# KiCad board ISA_CGA.kicad_pcb (continued)
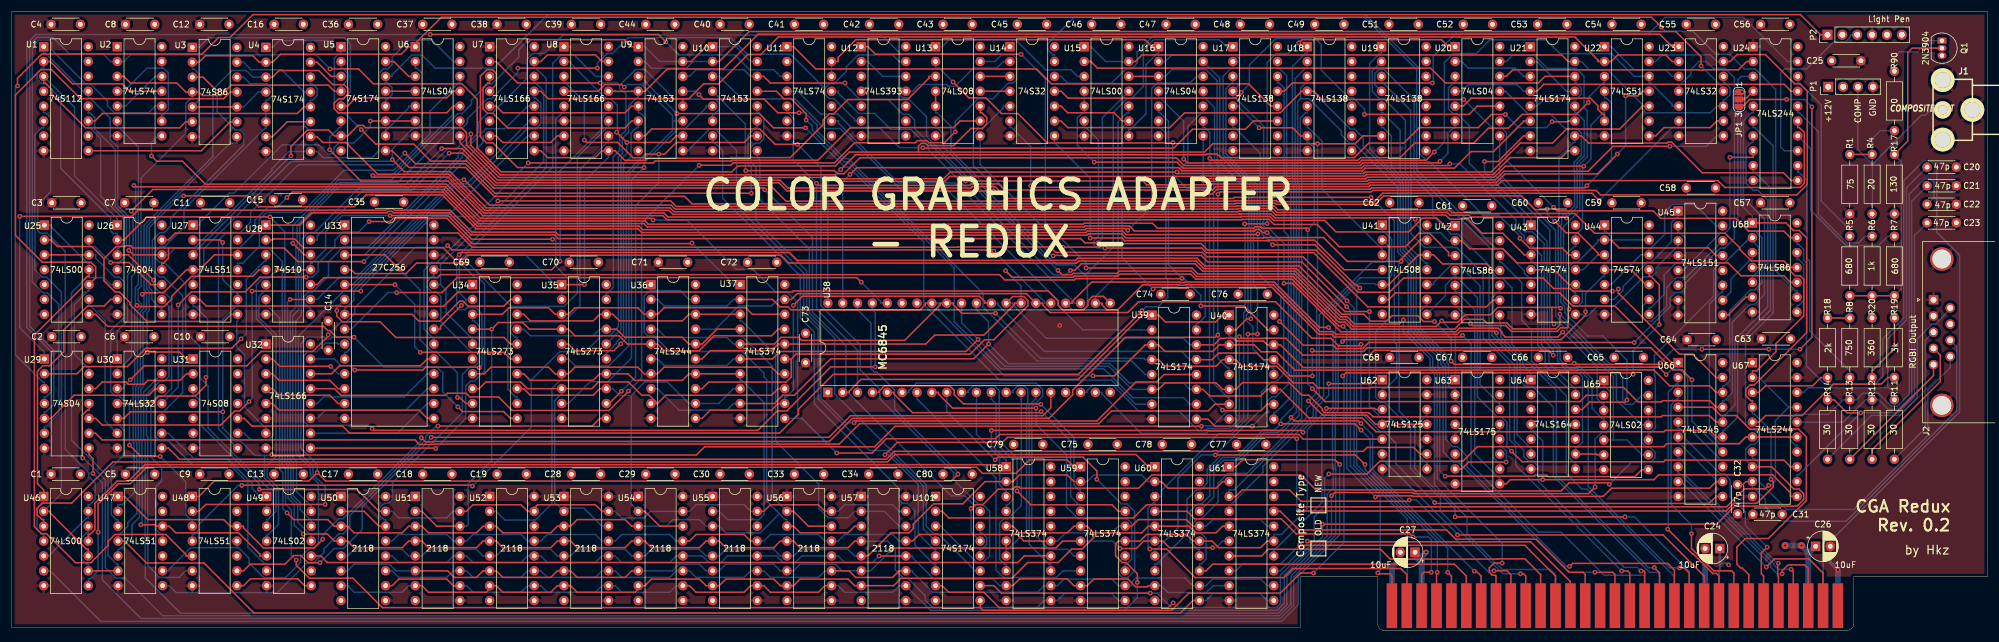
[diagram p0: board, top side]
## Nets (continued)
Net-(J2-Pad6): J2.6 R14.1
Net-(JP1-Pad2): JP1.2 U24.4
Net-(P5-Pad62): P5.62 U13.4 U13.5
Net-(Q1-Pad1): Q1.1 R90.2
Net-(Q1-Pad2): Q1.2 R5.1 R6.1 R7.1 R8.1 R17.1 R18.1 R19.1 R20.2
Net-(R1-Pad2): R1.2 R4.2 R90.1
Net-(R5-Pad2): R5.2 U24.18
Net-(R6-Pad2): R6.2 U24.16
Net-(R7-Pad2): R7.2 U24.14
Net-(R8-Pad2): R8.2 U24.12
Net-(R18-Pad2): R18.2 U67.3
Net-(R19-Pad2): R19.2 U67.5
Net-(U1-Pad5): U1.5 U46.5 U46.13
Net-(U1-Pad6): U1.6 U46.2 U46.10
Net-(U1-Pad9): U1.9 U3.9
Net-(U1-Pad12): U1.12 U26.4
Net-(U2-Pad6): U2.6 U28.4 U47.2
Net-(U2-Pad10): U2.10 U29.6
Net-(U2-Pad12): U2.5 U2.12
Net-(U2-Pad13): U2.4 U2.9 U2.13
Net-(U3-Pad1): U3.1 U5.5 U6.11
Net-(U3-Pad3): U3.3 U30.10
Net-(U3-Pad8): U3.8 U31.1
Net-(U3-Pad12): U3.12 U4.5 U4.6 U49.2
Net-(U4-Pad11): U4.7 U4.11
Net-(U4-Pad15): U4.15 U5.3
Net-(U5-Pad10): U5.10 U6.5
Net-(U5-Pad13): U5.13 U6.4
Net-(U5-Pad15): U5.15 U6.3
Net-(U10-Pad7): U10.7 U101.6
Net-(U10-Pad9): U10.9 U101.11
Net-(U10-Pad11): U10.11 U31.8
Net-(U11-Pad1): U11.1 U17.12
Net-(U11-Pad3): U11.3 U29.4
Net-(U11-Pad4): U11.4 U17.11
Net-(U11-Pad12): U11.12 U11.13 U15.8 U16.1
Net-(U12-Pad12): U12.2 U12.12 U65.13
Net-(U13-Pad1): U13.1 U15.3
Net-(U13-Pad9): U13.9 U29.10
Net-(U13-Pad11): U13.11 U14.4
Net-(U13-Pad12): U13.12 U14.3
Net-(U14-Pad1): U14.1 U28.8
Net-(U14-Pad5): U14.5 U49.13
Net-(U14-Pad8): U14.8 U41.4
Net-(U14-Pad11): U14.11 U65.8
Net-(U14-Pad12): U14.12 U20.10
Net-(U14-Pad13): U14.13 U43.5
Net-(U15-Pad2): U15.2 U21.5 U21.14
Net-(U15-Pad4): U15.4 U15.5 U43.2 U64.13
Net-(U15-Pad6): U15.6 U42.9
Net-(U15-Pad11): U15.11 U28.1
Net-(U15-Pad12): U15.12 U16.3 U40.12
Net-(U16-Pad2): U16.2 U17.4 U65.3
Net-(U16-Pad4): U16.4 U22.12 U23.5
Net-(U16-Pad9): U16.9 U22.3 U29.9 U40.7
Net-(U17-Pad5): U17.5 U18.7 U30.2 U65.2
Net-(U18-Pad6): U18.6 U41.3
Net-(U19-Pad5): U19.5 U41.11
Net-(U20-Pad2): U20.2 U21.3
Net-(U20-Pad5): U20.5 U22.6
Net-(U20-Pad11): U20.11 U64.12
Net-(U20-Pad12): U20.12 U24.2
Net-(U20-Pad13): U20.13 U42.6
Net-(U21-Pad13): U21.2 U21.13
Net-(U22-Pad1): U22.1 U23.3
Net-(U22-Pad8): U22.8 U23.9
Net-(U23-Pad4): U23.4 U26.8
Net-(U23-Pad6): U23.6 U28.13
Net-(U24-Pad8): U24.8 U45.5
Net-(U25-Pad1): U25.1 U25.11 U48.5
Net-(U25-Pad9): U25.9 U30.6
Net-(U25-Pad12): U25.3 U25.12 U48.3
Net-(U25-Pad13): U25.13 U26.10
Net-(U26-Pad5): U26.5 U46.9 U46.12 U47.6
Net-(U26-Pad6): U26.6 U46.1 U46.4
Net-(U26-Pad9): U26.9 U48.6
Net-(U28-Pad3): U28.3 U29.2
Net-(U28-Pad5): U28.5 U49.4
Net-(U29-Pad11): U29.11 U65.1
Net-(U29-Pad12): U29.12 U31.2
Net-(U30-Pad9): U30.9 U49.1
Net-(U32-Pad2): U32.2 U33.11
Net-(U32-Pad3): U32.3 U33.12
Net-(U32-Pad4): U32.4 U33.13
Net-(U32-Pad5): U32.5 U33.15
Net-(U32-Pad10): U32.10 U33.16
Net-(U32-Pad11): U32.11 U33.17
Net-(U32-Pad12): U32.12 U33.18
Net-(U32-Pad14): U32.14 U33.19
Net-(U33-Pad20): U33.20 U68.11
Net-(U38-Pad4): U38.4 U59.3
Net-(U38-Pad5): U38.5 U59.4
Net-(U38-Pad6): U38.6 U59.7
Net-(U38-Pad7): U38.7 U59.8
Net-(U38-Pad8): U38.8 U59.13
Net-(U38-Pad9): U38.9 U59.14
Net-(U38-Pad10): U38.10 U59.17
Net-(U38-Pad11): U38.11 U58.3
Net-(U38-Pad12): U38.12 U58.4
Net-(U38-Pad13): U38.13 U58.7
Net-(U38-Pad14): U38.14 U58.8
Net-(U38-Pad15): U38.15 U58.13
Net-(U38-Pad16): U38.16 U48.9
Net-(U41-Pad6): U41.6 U66.1
Net-(U41-Pad8): U41.8 U42.4 U67.13
Net-(U41-Pad9): U41.9 U63.2 U63.5
Net-(U41-Pad10): U41.10 U63.14
Net-(U42-Pad3): U5.6 U42.3
Net-(U42-Pad5): U42.5 U63.9 U64.4 U67.11
Net-(U42-Pad8): U42.8 U64.1
Net-(U42-Pad10): U42.10 U64.6
Net-(U45-Pad9): U45.9 U68.6
Net-(U45-Pad10): U45.10 U68.3
Net-(U48-Pad8): U48.8 U49.8 U49.9
Net-(U49-Pad10): U49.10 U58.14
Net-(U62-Pad12): U62.8 U62.12
Net-(U63-Pad10): U63.10 U63.13
Net-(U63-Pad12): U63.7 U63.12
Net-(U65-Pad10): U65.10 U68.2 U68.5
Net-(U68-Pad12): U68.8 U68.12
Net-(U101-Pad3): U9.7 U101.3
Net-(U101-Pad4): U9.9 U101.4
Net-(U101-Pad12): U101.12 U101.14

Pads without a net: J2 7; P1 2; P2 2; P5 4 5 6 7 8 15 16 17 18 19 21 22 23 24 25 26 27 28 32 48; U1 7; U11 6 8; U12 3 4 5 8 9 10; U17 7 9 10; U18 9 10 11 12 13 14 15; U19 9 10 11 12 13 14 15; U25 4 5 6; U31 4 5 6 11 12 13; U38 17 34 35; U43 6; U45 6; U58 16 17 18 19; U59 18 19; U60 18 19; U61 18 19; U63 3 6 11 15; U64 3 5 10 11

## Via types
v1: diameter 1.2, hole 0.4, Top to Bottom, 2 vias
v2: diameter 0.8, hole 0.4, Top to Bottom, 326 vias

## Routing (per net, layer and track width the routed paths; a pad name or vN(x,y) marks a point on that pad's centre or on a via; arc(x,y) is an arc through that point)
+12V: length 174
  In2.Cu w0.35: v2(293.37,11.18) 293.83,11.64 296.12,11.64 296.88,12.4 306.12,12.4 307.28,11.24 324.68,11.24 330.45,17.02 330.45,17.27 336.04,22.86 336.04,83.82 332.23,87.63 332.23,90.93 336.04,94.74 336.04,99.31 331.98,103.38 324.61,103.38 P2.6 321.69,100.45 321.69,99.94 320.8,99.06 312.75,99.06 C25.2 310.98,96.09 310.39,95.5 P1.1
  Bottom w0.35: 291.85,11.43 293.12,11.43 v2(293.37,11.18) ; 291.85,11.43 291.85,10.16 291.72,10.03 P5.9 ; 291.85,11.43 C24.1
GND: length 2589.9
  In1.Cu w0.5: C62.1 235.46,73.97 235.81,74.32 243.94,74.32 246.55,71.72 247.1,71.72 C61.1 ; C62.1 234.06,74.42 U19.8 ; C62.1 226.44,73.02 ; C30.1 119.73,27.97 109.63,27.97 C29.1 ; C30.1 121.03,32.77 U37.10 ; C30.1 122.3,27.94 125.38,27.94 125.41,27.97 132.43,27.97 C33.1 133.73,27.81 ; 17.37,51.47 18.03,52.13 U26.7 ; 17.37,51.47 8.16,51.47 C2.1 ; 17.37,51.47 18,51.47 C6.1 20.6,51.47 30.58,51.47 ; 109.6,73.02 96.9,73.02 ; 109.6,73.02 110.11,73.02 ; 109.6,73.02 110.49,72.14 C71.1 ; 96.9,73.02 95.63,73.02 ; 96.9,73.02 94.36,75.56 U8.8 ; 81.66,76.07 79.63,76.07 ; 81.66,76.07 84.71,73.02 95.63,73.02 ; 81.66,76.07 U7.8 ; 79.63,76.07 70.48,76.07 68.96,77.6 ; 79.63,76.07 80.01,75.69 C69.1 ; U45.4 286.26,62.48 286.26,57.91 U45.7 U45.8 284.73,50.29 284.67,50.23 ; U10.8 119.76,76.07 122.81,73.02 ; 110.11,73.02 107.06,76.07 U9.8 ; 110.11,73.02 122.81,73.02 ; 257.81,22.35 249.3,22.35 U63.8 238.89,25.02 236.35,27.56 U62.7 ; 257.81,22.35 284.23,22.35 U66.10 287.27,20.32 289.31,20.32 ; 257.81,22.35 259.59,24.13 U64.7 ; 95.63,73.02 95.25,72.64 C70.1 ; 124.59,73.02 125.73,71.88 C72.1 ; 124.59,73.02 122.81,73.02 ; 124.59,73.02 135,73.02 ; 68.96,77.6 U6.7 ; 68.96,77.6 63.12,77.6 62.23,76.71 ; C60.1 260.06,73.82 249.21,73.82 C61.1 ; C60.1 260.86,78.74 259.46,80.14 U21.8 ; C60.1 262.16,74.32 272.13,74.32 C59.1 ; 208,33.05 208.03,33.08 U40.8 ; 208,33.05 200.97,33.05 200.94,33.02 197.87,33.02 C78.1 195.3,33.05 194.79,33.05 ; 208,33.05 C77.1 211.81,29.24 232.51,29.24 U62.7 ; U62.7 234.19,20.57 237.28,17.49 C27.2 219.84,13.34 219.69,13.19 219.69,7.2 216.27,3.78 209.33,3.78 U61.10 206.73,3.78 196.63,3.78 U60.10 194.03,3.78 183.93,3.78 U59.10 181.33,3.78 171.23,3.78 U58.10 168.63,3.78 159.16,3.78 U101.8 156.56,3.78 146.46,3.78 ; U62.7 238.82,32.19 ; 21.59,78.23 19.56,78.23 ; 21.59,78.23 32.77,78.23 30.86,80.14 U3.7 ; 21.59,78.23 19.3,75.95 C7.1 ; 19.56,78.23 6.86,78.23 ; 19.56,78.23 18.03,79.76 U2.7 ; 209.42,73.02 209.55,72.9 C76.1 ; 209.42,73.02 213.74,73.02 ; 209.42,73.02 200.02,73.02 ; U32.1 40.86,51.47 33.56,51.47 C10.1 30.96,51.47 30.58,51.47 ; C59.1 275.97,75.56 C58.1 ; C59.1 273.43,83.18 U22.7 ; 194.79,33.05 194.82,33.08 U39.8 ; 194.79,33.05 185.2,33.05 C75.1 182.6,33.05 172.5,33.05 C79.1 162.05,31.75 159.13,28.83 C80.1 157.83,27.97 147.73,27.97 C34.1 146.43,27.56 146.02,27.97 133.89,27.97 133.73,27.81 ; 174.62,73.02 161.42,73.02 ; 174.62,73.02 186.82,73.02 ; 174.62,73.02 170.56,77.09 U14.7 ; 161.42,73.02 157.86,76.58 U13.7 ; 161.42,73.02 147.7,73.02 ; 147.7,73.02 145.16,75.56 U12.7 ; 147.7,73.02 135,73.02 ; 270.57,50.23 284.67,50.23 ; 270.57,50.23 272.16,51.82 U44.7 ; 270.57,50.23 270.38,50.04 ; 284.67,50.23 285.69,50.23 C64.1 287.91,51.31 296.42,51.31 ; C68.1 238.12,49.28 245.24,49.28 245.68,48.83 ; C68.1 237.49,44.58 237.49,41.15 238.38,40.26 ; C68.1 231.52,46.61 225.93,52.2 225.93,73.02 ; C68.1 234.19,47.88 U41.7 ; C1.1 8.03,27.97 18,27.97 ; C1.1 3.3,23.24 3.3,9.78 U46.7 6.76,6.32 16.86,6.32 U47.7 19.69,6.1 29.34,6.1 U48.7 30.86,6.48 31.02,6.32 42.26,6.32 U49.7 ; C1.1 5.59,27.81 U29.7 3.3,33.4 3.3,49.53 3.94,50.16 C2.1 ; 62.23,76.71 57.66,76.71 ; 62.23,76.71 61.98,76.45 C35.1 61.98,68.33 63.63,66.67 72.14,66.67 ; 57.66,76.71 56.26,78.1 U5.8 ; 57.66,76.71 44.96,76.71 ; 78.96,27.97 78.74,28.19 U34.10 ; 78.96,27.97 71.53,27.97 C18.1 68.93,27.97 58.83,27.97 C17.1 56.45,27.75 ; 78.96,27.97 81.63,27.97 C19.1 84.23,27.97 94.33,27.97 ; 226.44,73.02 221.36,78.1 U18.8 ; 226.44,73.02 225.93,73.02 ; C58.1 286.13,80.39 284.86,81.66 U23.7 ; C58.1 287.43,74.27 297.59,74.27 C57.1 ; 296.93,51.31 297.43,50.8 U67.1 302.51,45.72 U67.19 ; 296.93,51.31 297.43,51.31 C63.1 ; 296.93,51.31 296.42,51.31 ; C56.1 297.53,104.8 287.43,104.8 C55.1 284.83,104.8 274.73,104.8 C54.1 272.13,104.8 262.03,104.8 C53.1 259.43,104.8 249.33,104.8 C52.1 246.73,104.8 236.63,104.8 C51.1 234.03,104.8 223.93,104.8 C49.1 221.33,104.8 211.23,104.8 C48.1 208.63,104.8 198.53,104.8 C47.1 195.93,104.8 185.83,104.8 C46.1 183.23,104.8 173.13,104.8 C45.1 170.53,104.8 160.43,104.8 C43.1 157.83,104.8 147.86,104.8 C42.1 145.26,104.8 135.03,104.8 C41.1 132.43,104.8 122.33,104.8 C40.1 119.73,104.8 109.63,104.8 C44.1 107.03,104.8 96.93,104.8 C39.1 94.33,104.8 84.23,104.8 C38.1 81.63,104.8 71.53,104.8 C37.1 68.93,104.8 58.83,104.8 C36.1 56.23,104.8 46.13,104.8 C16.1 43.53,104.8 33.43,104.8 C12.1 30.83,104.8 20.73,104.8 C8.1 18.13,104.8 8.03,104.8 C4.1 5.21,103.5 2.79,101.09 2.79,84.58 U1.8 ; U1.8 5.46,79.63 6.86,78.23 ; U1.8 2.29,78.74 2.29,55.37 3.68,53.97 U25.7 5.59,51.44 C2.1 ; C29.1 108.33,35.31 U36.10 ; C29.1 107.06,27.94 101.29,27.94 101.26,27.97 96.93,27.97 C28.1 94.33,27.97 ; 56.45,27.75 56.9,28.19 U33.14 ; 56.45,27.75 56.23,27.97 46.13,27.97 C13.1 43.18,28.32 ; U67.10 297.51,22.78 C31.2 ; 94.33,27.97 93.98,28.32 U35.10 ; 245.68,48.83 246.19,48.83 ; 245.68,48.83 C67.1 ; 246.19,48.83 258.38,48.83 ; 246.19,48.83 246.63,49.28 U42.7 ; 246.19,48.83 246.13,48.77 ; 44.96,76.71 43.43,78.23 ; 44.96,76.71 44.96,76.2 44.7,75.95 C15.1 ; 43.43,78.23 U4.8 ; 43.43,78.23 33.78,78.23 32.26,76.71 C11.1 ; U24.10 298.83,75.56 C57.1 ; C57.1 300.13,74.32 310.87,74.32 R1.1 316.1,73.15 320.29,73.15 320.39,73.05 320.39,72.42 R17.2 322.1,71.12 J2.0 ; 270.38,50.04 C65.1 ; 270.38,50.04 259.59,50.04 ; U68.7 297.43,52.32 296.42,51.31 ; 213.74,73.02 208.66,78.1 U17.8 ; 213.74,73.02 225.93,73.02 ; 238.38,40.26 U62.13 ; 238.38,40.26 238.38,32.64 238.82,32.19 ; J2.0 329.8,57.88 J2.1 J2.2 ; J2.0 332.28,65.9 C23.2 C22.2 C21.2 C20.2 ; 6.86,78.23 C3.1 ; U62.10 241.55,32.38 239.01,32.38 238.82,32.19 ; 259.59,50.04 258.38,48.83 ; 259.59,50.04 U43.7 ; 258.38,48.83 258.64,48.83 C66.1 ; 43.18,28.32 33.78,28.32 C9.1 30.83,27.97 ; 43.18,28.32 43.43,28.57 U32.8 44.96,32.64 44.96,34.67 U32.6 ; 135.64,40.39 135.89,40.64 U38.1 ; 135.64,40.39 135.64,30.23 133.73,28.32 133.73,27.81 ; 135.64,40.39 C73.1 ; 18,27.97 18.13,27.97 C5.1 20.73,27.97 30.83,27.97 ; 18,27.97 18.03,28 U30.7 ; 186.82,73.02 196.21,73.02 ; 186.82,73.02 183.26,76.58 U15.7 ; 196.21,73.02 196.34,72.9 C74.1 ; 196.21,73.02 200.02,73.02 ; 200.02,73.02 195.96,77.09 U16.7 ; C61.1 247.9,74.93 246.63,76.2 U20.7 ; 332.81,38.42 J2.0 329.8,26.27 317.88,14.35 C26.2 310.73,15.66 307.88,18.51 298.81,18.51 C31.2 ; 135,73.02 132.46,75.56 U11.7 ; U27.7 30.99,51.88 30.58,51.47 ; C31.2 297.43,19.89 C32.2 294.47,20.32 289.31,20.32 ; 289.31,20.32 289.31,14.01 C24.2 ; U31.7 30.99,28.13 30.83,27.97
  In1.Cu w0.6: 85.52,21.76 85.52,3.73 ; 85.52,21.76 84.42,22.86 U52.1 ; 85.52,21.76 85.52,22.02 86.36,22.86 U52.16 ; 85.52,3.73 76.63,3.73 ; 85.52,3.73 89.23,3.73 ; 54.36,76.71 54.1,76.45 C14.1 ; U57.16 149.86,22.86 149.15,22.15 149.15,21.54 ; 63.67,3.73 60.02,3.73 ; 63.67,3.73 72.56,3.73 ; 63.67,3.73 63.88,3.94 U50.9 ; 60.02,3.73 44.78,3.73 43.56,4.95 U49.7 ; 60.02,3.73 60.02,21.67 ; 149.15,21.54 149.15,3.8 149.13,3.78 ; 149.15,21.54 147.83,22.86 U57.1 ; 317.5,97.28 317.5,101.35 P2.4 317.88,104.01 317.04,104.85 300.18,104.85 C56.1 297.31,101.98 297.31,99.95 U24.1 ; 317.5,97.28 C25.1 ; 317.5,97.28 317.5,93.34 P1.4 ; 317.5,97.28 323.34,97.28 326.64,93.98 J1.2 J1.2 J1.2 332.28,81.49 C20.2 ; U28.7 40.92,51.47 40.86,51.47 ; 123.36,3.73 114.63,3.73 ; 123.36,3.73 123.36,21.42 ; 123.36,3.73 127.17,3.73 ; 114.63,3.73 114.68,3.78 U54.9 ; 114.63,3.73 111.08,3.73 ; 111.08,3.73 101.93,3.73 ; 111.08,3.73 111.08,22.18 ; 101.93,3.73 98.12,3.73 ; 101.93,3.73 101.98,3.78 U53.9 ; U56.9 140.08,3.94 139.87,3.73 ; U52.9 89.28,3.78 89.23,3.73 ; U55.9 127.38,3.94 127.17,3.73 ; U42.13 251.84,66.55 250.53,67.86 250.53,73.82 ; 72.56,3.73 72.56,21.51 ; 72.56,3.73 76.63,3.73 ; 98.12,21.92 99.06,22.86 U53.16 ; 98.12,21.92 98.12,3.73 ; 98.12,21.92 97.19,22.86 U53.1 ; 135.97,21.42 134.53,22.86 U56.1 ; 135.97,21.42 137.41,22.86 U56.16 ; 135.97,21.42 135.97,3.73 ; U8.6 95.71,85.64 95.71,83.27 U8.8 ; 98.12,3.73 89.23,3.73 ; 332.81,38.42 333.06,38.42 333.76,39.12 333.76,59.46 J2.0 ; U54.16 111.76,22.86 111.08,22.18 ; 76.63,3.73 76.58,3.78 U51.9 ; 111.08,22.18 110.4,22.86 U54.1 ; 135.97,3.73 127.17,3.73 ; 135.97,3.73 139.87,3.73 ; 61.98,68.33 61.98,54.86 62.87,53.97 U33.22 ; U51.1 71.21,22.86 72.56,21.51 ; 139.87,3.73 146.41,3.73 146.46,3.78 ; 123.36,21.42 121.92,22.86 U55.1 ; 123.36,21.42 123.36,21.76 124.46,22.86 U55.16 ; 60.02,21.67 61.21,22.86 U50.16 ; 60.02,21.67 58.83,22.86 U50.1 ; 271.65,22.35 272.03,22.73 U65.7 ; 72.14,66.67 U33.26 ; U7.6 83.01,85.64 83.01,83.27 U7.8 ; 152.43,3.78 152.78,4.13 U57.9 ; U7.1 81.66,102.23 C38.1 ; 72.56,21.51 72.56,21.76 73.66,22.86 U51.16 ; C74.1 195.54,56.6 193.75,56.6 189.22,52.07 v2(179.07,52.07) ; U8.1 94.36,102.23 C39.1 ; 312.04,9.78 312.04,14.35
  In2.Cu w0.6: 63.75,22.99 U50.16 ; 114.55,22.99 U54.16
  Bottom w0.6: v2(312.04,10.29) 310.73,11.6 C26.2 ; 289.35,4.36 P5.10
  Bottom w1: 312.04,4.31 v2(312.04,10.29) ; C24.2 289.35,4.47 289.18,4.31 ; C27.2 237.28,12.23 235.84,10.79 235.84,4.31
VCC: length 2056.8
  In2.Cu w0.6: C43.2 165.78,101.85 175.18,101.85 C45.2 ; C43.2 164.13,101.04 U13.14 ; C43.2 162.73,102.11 159.88,102.11 159.83,102.05 153.01,102.05 C42.2 ; C49.2 227.63,101.04 U18.16 ; C49.2 229.28,101.85 238.68,101.85 C51.2 ; C49.2 225.98,101.85 216.58,101.85 C48.2 ; 72.14,56.52 73.53,56.52 76.07,59.05 U34.1 78.66,59.13 78.66,63.51 ; C2.2 11.86,47.7 U29.14 ; C2.2 10.51,51.51 6.21,51.51 ; C2.2 13.21,51.51 22.95,51.51 C6.2 ; C10.2 38.06,50.97 48.98,50.97 U32.16 53.04,48.89 C14.2 ; C10.2 35.91,51.51 25.65,51.51 C6.2 ; C10.2 38.35,49.07 38.35,46.61 U31.14 ; U54.8 110.24,5.08 111,5.84 111,24.34 C29.2 ; C18.2 76.5,27.94 82.2,27.94 82.28,28.02 86.58,28.02 C19.2 ; C18.2 73.88,28.02 63.88,28.02 C17.2 ; C18.2 72.64,24.08 72.64,5.59 72.14,5.08 U51.8 ; C19.2 85.34,24.08 85.34,5.59 84.84,5.08 U52.8 ; C19.2 89.92,26.67 91.27,28.02 99.28,28.02 C28.2 ; 3.81,74.68 3.81,53.75 6.05,51.51 6.21,51.51 ; 3.81,74.68 7.35,74.68 7.65,74.38 10.51,74.38 C3.2 ; 3.81,74.68 3.81,91.95 3.94,92.07 U1.4 8.38,95 8.38,100.16 C4.2 ; C78.2 202.95,30.4 U60.20 ; C78.2 202.95,33.1 212.95,33.1 C77.2 ; C78.2 200.25,33.1 187.55,33.1 ; C70.2 100.25,61.55 101.6,60.2 U35.20 ; C70.2 98.9,64.21 86.36,64.21 C69.2 ; C70.2 101.6,64.21 114.14,64.21 C71.2 ; C65.2 278.81,43.51 U65.14 ; C65.2 283.21,51.01 288.59,51.01 ; C65.2 277.46,47.96 267.21,47.96 C66.2 ; U14.14 176.83,101.04 C45.2 ; C57.2 305.05,71.8 U68.14 306.4,68.25 306.4,52.23 C63.2 ; C57.2 307.98,73.02 311.15,76.2 311.15,85.34 ; C57.2 302.48,74.38 292.66,74.38 ; C26.1 307.16,15.42 286.44,15.42 284.35,13.34 v2(241.68,13.34) C27.1 237.87,15.24 230.89,15.24 227.33,18.8 227.33,26.42 222,31.75 C77.2 ; C26.1 305.94,14.35 v1(305.82,14.48) ; C26.1 308.23,43.05 307.59,43.69 ; C79.2 177.55,33.1 187.55,33.1 ; C79.2 174.85,33.1 166.96,33.1 164.13,30.27 C80.2 ; C79.2 176.2,29.29 U58.20 ; C42.2 149.65,101.6 140.64,101.6 C41.2 ; C42.2 151.56,100.92 U12.14 ; C11.2 39.12,74.88 48.35,74.88 C15.2 ; C11.2 37.26,70.56 U27.14 38.61,66.67 37.26,65.32 37.26,60.41 U27.10 ; C11.2 35.1,75.18 26.46,75.18 C7.2 ; U37.20 133.48,60.45 198.29,60.45 C74.2 ; U37.20 135.64,55.5 C73.2 179.66,50.72 187.71,42.67 U38.20 187.55,40.48 187.55,33.1 ; U37.20 132.08,61.52 C72.2 129.38,64.21 116.29,64.21 115.49,63.42 C71.2 ; C29.2 114.68,28.02 124.68,28.02 C30.2 ; C29.2 111.98,28.02 101.98,28.02 C28.2 ; 56.9,70.36 U33.1 56.9,66.67 ; 56.9,70.36 53.72,73.53 C15.2 ; 56.9,70.36 56.9,71.88 59.52,74.5 65.63,74.5 C35.2 67.61,72.52 68.83,72.52 U33.28 74.8,69.21 78.66,65.36 78.66,63.51 ; U56.8 135.38,5.08 136.14,5.84 136.14,24.08 C33.2 ; 187.55,33.1 C75.2 190.25,30.4 U59.20 ; C28.2 98.04,24.08 98.04,5.84 97.28,5.08 U53.8 ; 292.66,74.38 292.66,71.93 U45.16 ; 292.66,74.38 292.32,74.38 C58.2 289.31,73.74 284.26,73.74 283.62,74.38 277.08,74.38 ; U1.16 U2.1 ; U1.16 11.73,101.04 C4.2 ; U1.16 U1.14 ; C17.2 59.94,24.08 59.94,5.59 59.44,5.08 U50.8 ; C17.2 61.18,28.02 51.18,28.02 C13.2 ; U36.20 115.49,60.41 C71.2 ; C68.2 240.46,44.15 U62.14 ; C68.2 241.81,47.96 251.55,47.96 C67.2 ; C68.2 237.46,46.61 230.22,53.85 U40.16 215.65,56.31 C76.2 213.2,58.75 202.69,58.75 C74.2 ; C37.2 72.46,100.73 70.69,100.73 67.92,103.5 C36.2 ; C37.2 76.45,102.28 76.45,99.82 U6.14 ; C37.2 76.88,101.85 86.28,101.85 C38.2 89.15,102.28 ; 288.59,51.01 289.91,51.01 C64.2 ; 288.59,51.01 288.59,59.74 290.32,61.47 U45.12 ; U26.14 24.3,70.56 C7.2 ; U43.14 267.21,71.67 C60.2 ; 6.21,51.51 2.79,48.1 2.79,31.91 6.69,28.02 10.38,28.02 C1.2 ; 277.08,74.38 267.21,74.38 C60.2 ; 277.08,74.38 C59.2 279.78,71.67 U44.14 ; U25.14 11.86,70.56 C3.2 ; C30.2 127.3,27.94 133,27.94 133.08,28.02 137.38,28.02 C33.2 ; C30.2 123.44,24.08 123.44,5.84 122.68,5.08 U55.8 ; C34.2 149.15,24.39 149.15,5.9 148.34,5.08 U57.8 ; C34.2 153.42,26.67 157.23,22.86 U101.1 ; C34.2 152.78,28.02 162.78,28.02 C80.2 ; C34.2 150.08,28.02 141.56,28.02 140.21,26.67 C33.2 ; U1.10 14.43,83.1 14.43,75.04 13.76,74.38 ; U64.2 262.13,42.8 U64.14 265.86,44.15 C66.2 ; C77.2 215.65,30.4 U61.20 ; C74.2 201.34,54.94 U39.16 ; 13.76,74.38 22.95,74.38 C7.2 ; 13.76,74.38 13.21,74.38 C3.2 ; C41.2 138.73,101.04 U11.14 143.43,96.34 143.43,92.89 U11.10 ; C41.2 137.54,103.5 136.09,102.05 127.48,102.05 C40.2 ; C51.2 241.98,101.85 251.38,101.85 C52.2 ; C51.2 240.33,101.04 U19.16 ; C45.2 178.48,101.85 187.88,101.85 C46.2 ; U49.14 51.05,22.99 51.05,25.45 C13.2 ; U30.14 24.3,47.7 C6.2 ; C53.2 265.73,101.04 U21.16 ; C53.2 264.08,101.85 254.68,101.85 C52.2 ; C53.2 267.18,102.05 276.98,102.05 C54.2 ; 51.05,102.28 C16.2 48.38,102.05 38.41,102.05 38.35,102.11 ; 51.05,102.28 51.28,102.05 61.08,102.05 C36.2 ; 51.05,102.28 U4.16 ; C67.2 254.25,47.96 264.51,47.96 C66.2 ; C67.2 252.9,44.15 ; U3.14 38.35,99.69 38.35,102.11 ; C54.2 278.43,101.04 U22.14 281.13,98.34 281.13,88.34 U22.9 ; C54.2 279.95,101.99 289.61,101.99 C55.2 ; C5.2 23.08,28.02 13.08,28.02 C1.2 ; C5.2 25.65,25.45 25.65,22.99 25.78,22.86 25.78,20.32 24.43,18.97 24.43,14.05 25.78,12.7 ; C5.2 25.78,28.02 35.78,28.02 C9.2 ; C46.2 189.53,103.93 ; C46.2 189.53,101.04 U15.14 ; C46.2 191.18,101.85 200.58,101.85 C47.2 ; C55.2 291.13,101.04 U23.14 ; C55.2 291.13,103.93 ; C55.2 292.58,102.05 302.38,102.05 C56.2 ; C63.2 302.61,51.13 292.74,51.13 C64.2 ; C63.2 303.96,46.82 U67.20 305.56,45.72 307.59,43.69 ; Q1.3 323.98,98.17 323.98,89.53 321.82,87.38 313.18,87.38 311.15,85.34 ; 311.15,85.34 311.15,87.63 307.59,91.19 307.59,97.28 U24.20 303.83,101.04 C56.2 ; C13.2 48.48,28.02 38.48,28.02 C9.2 ; U66.20 291.26,46.82 C64.2 ; U63.4 247.78,35.18 252.9,40.31 252.9,44.15 ; 89.15,102.28 89.15,99.82 U7.16 ; 89.15,102.28 89.38,102.05 99.18,102.05 C39.2 ; 78.66,63.51 79.36,64.21 83.66,64.21 C69.2 ; C61.2 254.76,74.38 264.51,74.38 C60.2 ; C61.2 251.55,73.87 241.3,73.87 C62.2 242.06,71.42 242.06,69.47 U41.14 ; C61.2 252.9,70.44 U42.14 ; U34.20 86.61,59.31 86.61,61.26 C69.2 ; C56.2 307.47,103.5 307.59,103.63 318.52,103.63 P2.5 ; C36.2 63.75,102.28 63.75,99.82 U5.16 ; C4.2 13.18,102.05 22.98,102.05 C8.2 ; C1.2 12.95,25.45 12.95,22.99 U46.14 ; C40.2 127.76,101.77 127.76,100.08 U10.16 128.91,99.69 131.44,97.16 132.46,97.16 ; C40.2 124.13,101.6 115.24,101.6 115.06,101.77 ; U28.14 49.7,70.56 C15.2 ; 252.9,44.15 U63.16 ; C80.2 164.13,24.21 U101.16 ; 307.59,43.69 310.64,46.74 314.2,46.74 317.88,50.42 R20.1 ; U2.14 24.43,100.92 C8.2 ; C39.2 102.08,102.05 110.69,102.05 112.14,103.5 C44.2 115.06,101.77 ; C39.2 100.63,101.04 U8.16 ; 115.06,101.77 115.06,100.08 U9.16 ; C48.2 214.93,101.04 U17.16 ; C48.2 213.36,101.93 203.8,101.93 C47.2 ; C8.2 25.88,102.05 32.83,102.05 33.13,102.36 35.99,102.36 C12.2 38.35,102.28 38.35,102.11 ; C52.2 253.03,100.92 U20.14 U21.1 ; C47.2 202.23,101.04 U16.14 ; U48.10 37.13,14.05 37.13,18.97 U48.13 U48.14 38.35,22.99 38.35,25.45 C9.2
  Bottom w1: C26.1 306.96,13.08 ; 306.96,13.08 306.96,13.34 v1(305.82,14.48) v1(303.02,14.48) ; 306.96,13.08 306.96,4.31 ; 240.92,11.56 240.92,4.31 ; 240.92,11.56 239.78,12.7 C27.1 ; 240.92,11.56 240.92,12.57 v2(241.68,13.34)
3.58_MHZ: length 241.8
  Top w0.25: U43.12 266.08,64.13 264.96,65.26 259.39,65.26 v2(257.7,66.95)
  Bottom w0.25: U5.12 63.88,90.66 64.16,90.66 65.01,91.5 65.01,92.65 64.16,93.49 63.88,93.49 U5.14 65.01,94.61 65.01,94.9 68.39,98.28 70.08,98.28 72.34,96.02 82.45,96.02 91.6,105.16 231.32,105.16 240.56,95.93 240.56,81.42 242.06,79.92 242.4,79.92 251.41,70.91 254.1,70.91 257.7,67.31 v2(257.7,66.95)
14_MHZ: length 349.8
  Top w0.25: v2(263.66,69.86) 265.6,67.91 267.58,67.91 271.04,64.45 271.04,64.13 U44.3 ; v2(20,64.9) 20.77,64.13 U26.12 ; U5.9 65.01,81.91 67.86,79.06 77.54,79.06 82.48,74.12 114.99,74.12 116.26,72.85 209.06,72.85 209.16,72.94 215.89,72.94 216.07,72.76 233,72.76 234.44,74.2 257.96,74.2 260.31,71.85 262.24,71.85 v2(262.34,71.95)
  Bottom w0.25: 267.21,61.59 268.5,61.59 271.04,64.13 U44.3 ; v2(20,64.9) 20.14,65.04 20.14,70.53 18.13,72.54 18.13,82.58 16.84,83.88 16.84,87.47 13.36,90.95 13.08,90.95 U1.13 11.96,92.07 11.96,92.36 5.74,98.57 5.46,98.57 U1.1 ; v2(263.66,69.86) 262.34,71.18 v2(262.34,71.95) ; U5.9 62.76,81.91 ; 62.76,81.91 61.58,80.74 53.23,80.74 52.18,81.79 U4.9 49.93,81.79 47.38,81.79 44.46,78.87 44.46,78.53 31.19,65.26 27.9,65.26 26.78,64.13 U26.12 ; 62.76,81.91 62.76,95.14 63.5,95.88 64.25,95.88 65.01,96.64 65.01,97.87 67.96,100.82 71.79,100.82 75.46,97.16 76.58,97.16
/CGA 1/6/RAM-A0: length 166.8
  Top w0.25: U61.2 206.9,25.4 205.78,24.27 197.58,24.27 196.45,25.4 U60.2 ; U59.2 181.5,25.4 180.38,26.53 172.18,26.53 171.05,25.4 U58.2 166.31,25.4 162.52,21.61 157.52,21.61 154.05,18.13 154.05,17.38 153.32,16.65 150.24,16.65 146.29,12.7 U57.5
  Bottom w0.25: U57.5 144.04,12.7 142.91,13.83 134.71,13.83 133.59,12.7 U56.5 131.34,12.7 130.21,13.83 122.01,13.83 120.89,12.7 U55.5 118.64,12.7 117.51,13.83 109.31,13.83 108.19,12.7 U54.5 105.94,12.7 104.81,13.83 96.61,13.83 95.49,12.7 U53.5 93.24,12.7 92.11,13.83 83.91,13.83 82.79,12.7 U52.5 80.54,12.7 79.41,13.83 71.21,13.83 70.09,12.7 U51.5 67.84,12.7 66.71,13.83 58.51,13.83 57.39,12.7 U50.5 ; U60.2 194.2,25.4 193.08,26.53 184.88,26.53 183.75,25.4 U59.2
/CGA 1/6/RAM-A1: length 181.4
  Top w0.25: U54.7 107.62,7.62 ; 107.62,7.62 108.19,7.62 109.31,8.75 117.51,8.75 118.64,7.62 U55.7 120.89,7.62 122.01,8.75 130.21,8.75 131.34,7.62 U56.7 133.59,7.62 134.71,8.75 142.91,8.75 144.04,7.62 U57.7 150.7,7.62 151.97,8.89 170.9,8.89 173.59,11.57 178.82,11.57 181.13,13.89 182.92,13.89 184.88,15.85 184.88,16.65 ; 107.62,7.62 106.5,6.49 96.61,6.49 95.49,7.62 U53.7 93.24,7.62 92.11,6.49 83.91,6.49 82.79,7.62 82.22,7.62 ; U51.7 70.09,7.62 71.21,6.49 81.1,6.49 82.22,7.62 ; U58.5 171.05,17.78 172.18,16.65 180.38,16.65 181.5,17.78 U59.5 183.75,17.78 184.88,16.65 ; U61.5 206.9,17.78 205.77,16.65 202.32,16.65 201.18,17.78 U60.5 194.2,17.78 193.08,16.65 184.88,16.65 ; 82.22,7.62 U52.7
  Bottom w0.25: U51.7 67.84,7.62 66.71,6.49 58.51,6.49 57.39,7.62 U50.7
/CGA 1/6/RAM-A2: length 163.6
  Top w0.25: v2(205.21,14.11) 197.83,14.11 196.7,15.24 U60.6 193.43,15.24 192.16,13.97 v2(189.36,13.97) ; U54.6 105.94,10.16 104.81,9.03 96.61,9.03 95.49,10.16 U53.6 93.24,10.16 92.11,9.03 83.91,9.03 82.79,10.16 U52.6 80.54,10.16 79.4,9.02 75.63,9.02 74.49,10.16 U51.6 ; v2(150.17,13.67) 150.54,14.05 169.93,14.05 ; 169.93,14.05 178.41,14.05 179.6,15.24 U59.6 ; 169.93,14.05 U58.6
  Bottom w0.25: v2(150.17,13.67) 150.17,13.59 146.74,10.16 U57.6 141.84,10.16 140.72,11.29 134.71,11.29 133.59,10.16 U56.6 131.34,10.16 130.21,11.29 122.01,11.29 120.89,10.16 U55.6 118.64,10.16 117.5,11.29 114.05,11.29 112.92,10.16 U54.6 ; U59.6 188.09,15.24 v2(189.36,13.97) ; v2(205.21,14.11) 205.78,14.11 206.9,15.24 U61.6 ; U51.6 65.64,10.16 64.51,11.29 58.52,11.29 57.39,10.16 U50.6
/CGA 1/6/RAM-A3: length 156
  Top w0.25: U57.12 v2(148.2,12.7) ; U58.9 171.05,7.62 172.22,8.79 180.33,8.79 181.5,7.62 U59.9 183.75,7.62 184.89,8.76 190.72,8.76 192.07,7.42 194,7.42 194.2,7.62 U60.9
  Bottom w0.25: U57.12 153.91,12.7 153.91,12.42 157.58,8.75 167.68,8.75 168.8,7.62 U58.9 ; v2(148.2,12.7) 147.08,11.57 142.33,11.57 141.21,12.7 U56.12 135,12.7 133.86,11.57 131.83,11.57 130.7,12.7 U55.12 122.3,12.7 121.17,11.57 119.13,11.57 118,12.7 U54.12 113.56,12.7 112.43,11.57 104.23,11.57 103.11,12.7 U53.12 100.86,12.7 99.73,11.57 91.53,11.57 90.41,12.7 U52.12 88.16,12.7 87.03,11.57 78.83,11.57 77.71,12.7 U51.12 75.46,12.7 74.33,11.57 66.13,11.57 65.01,12.7 U50.12 ; U60.9 196.45,7.62 197.62,6.45 204.11,6.45 205.28,7.62 U61.9
/CGA 1/6/RAM-A4: length 163.7
  Top w0.25: U56.11 143.07,10.16 144.21,9.02 150.52,9.02 151.66,10.16 U57.11
  Bottom w0.25: U56.11 138.96,10.16 137.83,9.03 129.63,9.03 128.51,10.16 U55.11 126.26,10.16 125.13,9.03 116.93,9.03 115.81,10.16 U54.11 113.56,10.16 112.43,9.03 104.23,9.03 103.11,10.16 U53.11 100.86,10.16 99.73,9.03 91.53,9.03 90.41,10.16 U52.11 88.16,10.16 87.03,9.03 78.83,9.03 77.71,10.16 U51.11 75.46,10.16 74.33,9.03 66.13,9.03 65.01,10.16 U50.11 ; U57.11 153.91,10.16 153.91,9.94 157.35,6.49 175.3,6.49 176.42,7.62 U58.12 178.67,7.62 179.8,8.75 188,8.75 189.12,7.62 U59.12 191.37,7.62 191.37,8.23 192.07,8.93 200.51,8.93 201.82,7.62 U60.12 204.07,7.62 205.2,8.75 213.4,8.75 214.52,7.62 U61.12
/CGA 1/6/RAM-A5: length 214.6
  Top w0.25: U54.10 115.81,7.62 116.93,6.49 125.13,6.49 126.26,7.62 U55.10 128.51,7.62 129.63,6.49 137.83,6.49 138.96,7.62 U56.10 ; U62.3 233.06,37.72 232.88,37.9 v2(224.64,37.9) ; U50.10 65.01,7.62 66.13,8.75 74.33,8.75 75.46,7.62 U51.10 ; v2(192.34,8.17) 192.34,9.66 190.43,11.57 189.76,11.57 188.61,12.72 188.61,14.73 189.12,15.24 U59.15 192.79,15.24 193.92,16.37 200.7,16.37 201.82,15.24 U60.15 205.11,15.24 206.23,14.11 213.4,14.11 214.52,15.24 U61.15
  Bottom w0.25: U61.15 215.65,16.37 216.94,16.37 221.38,20.8 221.38,34.29 224.64,37.55 v2(224.64,37.9) ; U51.10 77.71,7.62 78.83,6.49 87.03,6.49 88.16,7.62 U52.10 90.41,7.62 91.53,6.49 99.73,6.49 100.86,7.62 U53.10 103.11,7.62 104.23,6.49 112.43,6.49 113.56,7.62 U54.10 ; v2(192.34,8.17) 192.34,5.58 190.15,3.39 157.01,3.39 U57.10 151.66,7.62 150.53,6.49 142.33,6.49 141.21,7.62 U56.10
/CGA 1/6/RAM-A6: length 162.1
  Top w0.25: U57.13 153.91,15.24 155.03,16.37 171.83,16.37 172.95,15.24 U58.15 ; U59.16 191.37,17.78 192.5,18.91 200.7,18.91 201.82,17.78 U60.16 ; U55.13 126.26,15.24 125.13,16.37 116.93,16.37 115.81,15.24 U54.13
  Bottom w0.25: U60.16 204.07,17.78 205.2,18.91 213.4,18.91 214.52,17.78 U61.16 ; U54.13 113.56,15.24 112.43,16.37 104.23,16.37 103.11,15.24 U53.13 100.86,15.24 99.73,16.37 91.53,16.37 90.41,15.24 U52.13 88.16,15.24 87.03,16.37 78.83,16.37 77.71,15.24 U51.13 75.46,15.24 74.33,16.37 66.13,16.37 65.01,15.24 U50.13 ; U55.13 128.51,15.24 129.63,16.37 137.83,16.37 138.96,15.24 U56.13 141.21,15.24 142.33,16.37 150.53,16.37 151.66,15.24 U57.13 ; U59.16 189.12,17.78 188,16.65 180.09,16.65 178.67,15.24 U58.15
